# Altium PCB mantarray_beta2_sensor_arrayed.PcbDoc (part 2 of 14)
Units mil, origin at the board's own origin, x right, y up, seen from the top; angles counter-clockwise.
Board outline 6232.47 x 10167.51 mil, 8 copper layers (Layer1_Top, Layer2_sig1, Layer3_AVDD_PLANE, Layer4_GND_PLANE, Layer5_DVDD_PLANE, Layer6_BUS, Layer7_sig2, Layer8_BOT), stack 50.224 mil thick; 470 components, 492 nets, 4650 pads, 3798 vias.
Unrouted connection lines stored in the file: 3.
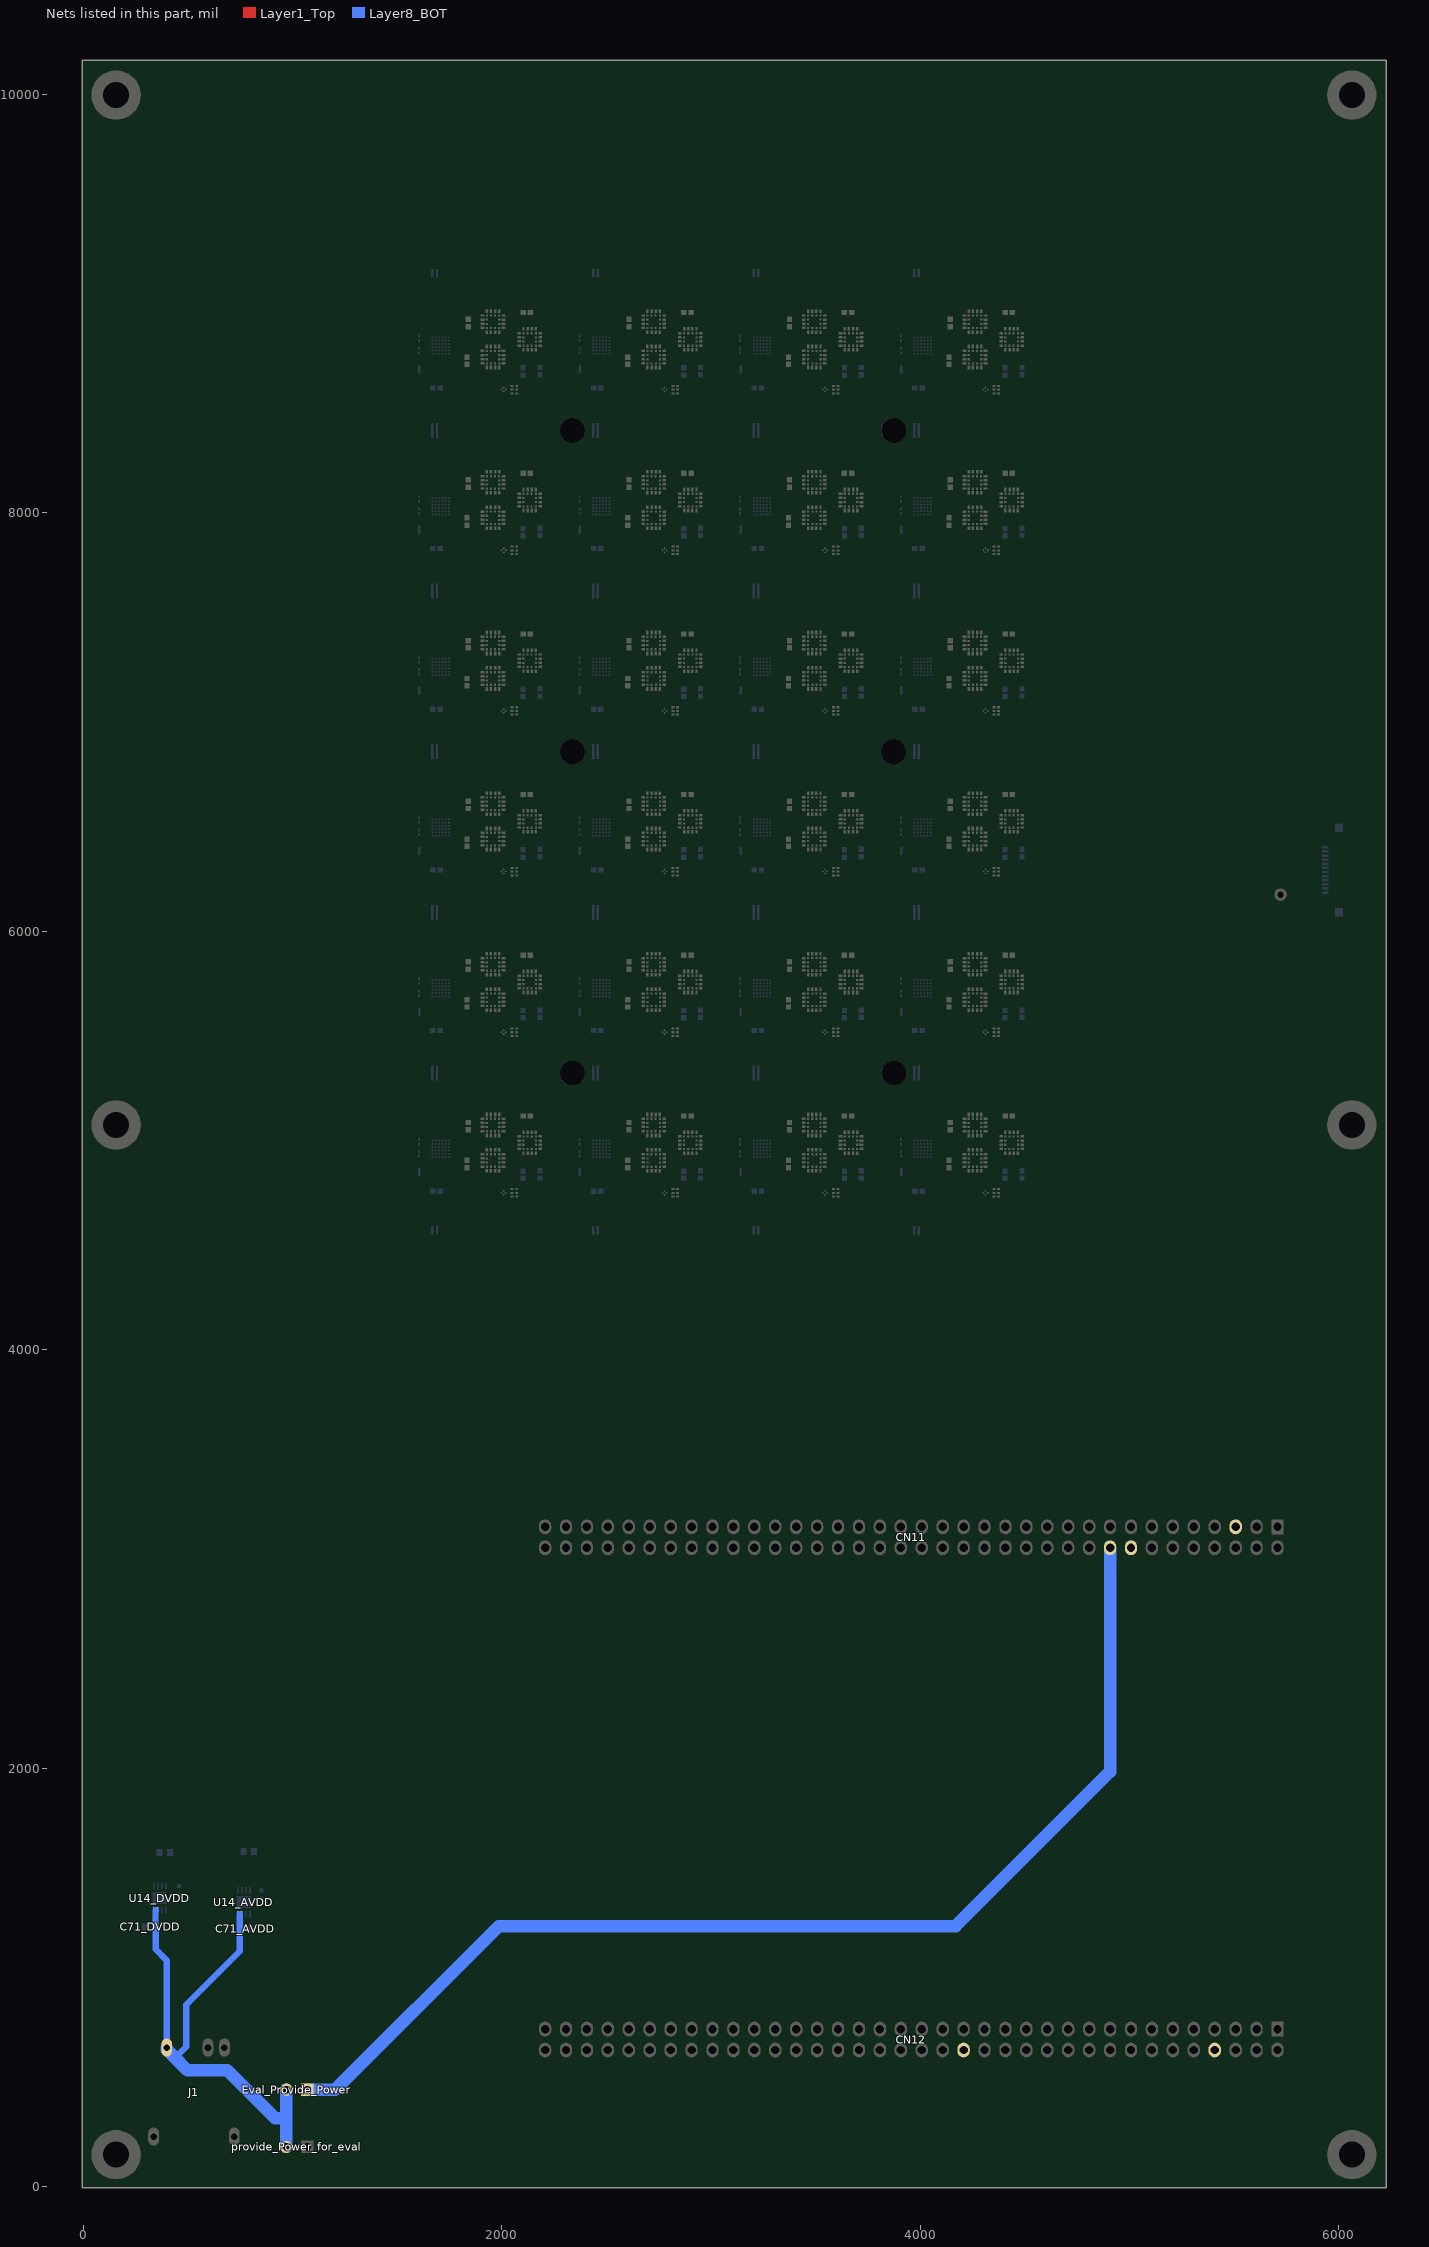
[diagram p8: the nets of this part, all layers, seen from the top]

## Components (designator, comment, footprint, x,y, rotation, side; value= is the part's Value field where it differs from the comment) (continued)
UA2_CH6 "LIS3MDLTR" STM-LGA-12#2 1958.58,8913.01 r270 top locked (schematic designator UA2)
UA2_CH7 "LIS3MDLTR" STM-LGA-12#2 2726.29,5074.43 r270 top locked (schematic designator UA2)
UA2_CH8 "LIS3MDLTR" STM-LGA-12#2 2726.29,5842.15 r270 top locked (schematic designator UA2)
UA2_CH9 "LIS3MDLTR" STM-LGA-12#2 2726.29,6609.86 r270 top locked (schematic designator UA2)
UA2_CH10 "LIS3MDLTR" STM-LGA-12#2 2726.29,7377.58 r270 top locked (schematic designator UA2)
UA2_CH11 "LIS3MDLTR" STM-LGA-12#2 2726.29,8145.3 r270 top locked (schematic designator UA2)
UA2_CH12 "LIS3MDLTR" STM-LGA-12#2 2726.29,8913.01 r270 top locked (schematic designator UA2)
UA2_CH13 "LIS3MDLTR" STM-LGA-12#2 3494.01,5074.43 r270 top locked (schematic designator UA2)
UA2_CH14 "LIS3MDLTR" STM-LGA-12#2 3494.01,5842.15 r270 top locked (schematic designator UA2)
UA2_CH15 "LIS3MDLTR" STM-LGA-12#2 3494.01,6609.86 r270 top locked (schematic designator UA2)
UA2_CH16 "LIS3MDLTR" STM-LGA-12#2 3494.01,7377.58 r270 top locked (schematic designator UA2)
UA2_CH17 "LIS3MDLTR" STM-LGA-12#2 3494.01,8145.3 r270 top locked (schematic designator UA2)
UA2_CH18 "LIS3MDLTR" STM-LGA-12#2 3494.01,8913.01 r270 top locked (schematic designator UA2)
UA2_CH19 "LIS3MDLTR" STM-LGA-12#2 4261.72,5074.43 r270 top locked (schematic designator UA2)
UA2_CH20 "LIS3MDLTR" STM-LGA-12#2 4261.72,5842.15 r270 top locked (schematic designator UA2)
UA2_CH21 "LIS3MDLTR" STM-LGA-12#2 4261.72,6609.86 r270 top locked (schematic designator UA2)
UA2_CH22 "LIS3MDLTR" STM-LGA-12#2 4261.72,7377.58 r270 top locked (schematic designator UA2)
UA2_CH23 "LIS3MDLTR" STM-LGA-12#2 4261.72,8145.3 r270 top locked (schematic designator UA2)
UA2_CH24 "LIS3MDLTR" STM-LGA-12#2 4261.72,8913.01 r270 top locked (schematic designator UA2)
UA3_CH1 "LIS3MDLTR" STM-LGA-12#1 2133.86,4989.87 r270 top locked (schematic designator UA3)
UA3_CH2 "LIS3MDLTR" STM-LGA-12#2 2133.77,5757.5 r270 top locked (schematic designator UA3)
UA3_CH3 "LIS3MDLTR" STM-LGA-12#2 2133.77,6525.22 r270 top locked (schematic designator UA3)
UA3_CH4 "LIS3MDLTR" STM-LGA-12#2 2133.77,7292.93 r270 top locked (schematic designator UA3)
UA3_CH5 "LIS3MDLTR" STM-LGA-12#2 2133.77,8060.65 r270 top locked (schematic designator UA3)
UA3_CH6 "LIS3MDLTR" STM-LGA-12#2 2133.77,8828.37 r270 top locked (schematic designator UA3)
UA3_CH7 "LIS3MDLTR" STM-LGA-12#2 2901.49,4989.78 r270 top locked (schematic designator UA3)
UA3_CH8 "LIS3MDLTR" STM-LGA-12#2 2901.49,5757.5 r270 top locked (schematic designator UA3)
UA3_CH9 "LIS3MDLTR" STM-LGA-12#2 2901.49,6525.22 r270 top locked (schematic designator UA3)
UA3_CH10 "LIS3MDLTR" STM-LGA-12#2 2901.49,7292.93 r270 top locked (schematic designator UA3)
UA3_CH11 "LIS3MDLTR" STM-LGA-12#2 2901.49,8060.65 r270 top locked (schematic designator UA3)
UA3_CH12 "LIS3MDLTR" STM-LGA-12#2 2901.49,8828.37 r270 top locked (schematic designator UA3)
UA3_CH13 "LIS3MDLTR" STM-LGA-12#2 3669.2,4989.78 r270 top locked (schematic designator UA3)
UA3_CH14 "LIS3MDLTR" STM-LGA-12#2 3669.2,5757.5 r270 top locked (schematic designator UA3)
UA3_CH15 "LIS3MDLTR" STM-LGA-12#2 3669.2,6525.22 r270 top locked (schematic designator UA3)
UA3_CH16 "LIS3MDLTR" STM-LGA-12#2 3669.2,7292.93 r270 top locked (schematic designator UA3)
UA3_CH17 "LIS3MDLTR" STM-LGA-12#2 3669.2,8060.65 r270 top locked (schematic designator UA3)
UA3_CH18 "LIS3MDLTR" STM-LGA-12#2 3669.2,8828.37 r270 top locked (schematic designator UA3)
UA3_CH19 "LIS3MDLTR" STM-LGA-12#2 4436.92,4989.78 r270 top locked (schematic designator UA3)
UA3_CH20 "LIS3MDLTR" STM-LGA-12#2 4436.92,5757.5 r270 top locked (schematic designator UA3)
UA3_CH21 "LIS3MDLTR" STM-LGA-12#2 4436.92,6525.22 r270 top locked (schematic designator UA3)
UA3_CH22 "LIS3MDLTR" STM-LGA-12#2 4436.92,7292.93 r270 top locked (schematic designator UA3)
UA3_CH23 "LIS3MDLTR" STM-LGA-12#2 4436.92,8060.65 r270 top locked (schematic designator UA3)
UA3_CH24 "LIS3MDLTR" STM-LGA-12#2 4436.92,8828.37 r270 top locked (schematic designator UA3)
UB1_CH1 "MMC5983" LGA_16 1958.66,4905.51 r270 top locked (schematic designator UB1)
UB1_CH2 "MMC5983" LGA_16 1958.66,5673.23 r270 top locked (schematic designator UB1)
UB1_CH3 "MMC5983" LGA_16 1958.66,6440.94 r270 top locked (schematic designator UB1)
UB1_CH4 "MMC5983" LGA_16 1958.66,7208.66 r270 top locked (schematic designator UB1)
UB1_CH5 "MMC5983" LGA_16 1958.66,7976.38 r270 top locked (schematic designator UB1)
UB1_CH6 "MMC5983" LGA_16 1958.66,8744.09 r270 top locked (schematic designator UB1)
UB1_CH7 "MMC5983" LGA_16 2726.38,4905.51 r270 top locked (schematic designator UB1)
UB1_CH8 "MMC5983" LGA_16 2726.38,5673.23 r270 top locked (schematic designator UB1)
UB1_CH9 "MMC5983" LGA_16 2726.38,6440.94 r270 top locked (schematic designator UB1)
UB1_CH10 "MMC5983" LGA_16 2726.38,7208.66 r270 top locked (schematic designator UB1)
UB1_CH11 "MMC5983" LGA_16 2726.38,7976.38 r270 top locked (schematic designator UB1)
UB1_CH12 "MMC5983" LGA_16 2726.38,8744.09 r270 top locked (schematic designator UB1)
UB1_CH13 "MMC5983" LGA_16 3494.09,4905.51 r270 top locked (schematic designator UB1)
UB1_CH14 "MMC5983" LGA_16 3494.09,5673.23 r270 top locked (schematic designator UB1)
UB1_CH15 "MMC5983" LGA_16 3494.09,6440.94 r270 top locked (schematic designator UB1)
UB1_CH16 "MMC5983" LGA_16 3494.09,7208.66 r270 top locked (schematic designator UB1)
UB1_CH17 "MMC5983" LGA_16 3494.09,7976.38 r270 top locked (schematic designator UB1)
UB1_CH18 "MMC5983" LGA_16 3494.09,8744.09 r270 top locked (schematic designator UB1)
UB1_CH19 "MMC5983" LGA_16 4261.81,4905.51 r270 top locked (schematic designator UB1)
UB1_CH20 "MMC5983" LGA_16 4261.81,5673.23 r270 top locked (schematic designator UB1)
UB1_CH21 "MMC5983" LGA_16 4261.81,6440.94 r270 top locked (schematic designator UB1)
UB1_CH22 "MMC5983" LGA_16 4261.81,7208.66 r270 top locked (schematic designator UB1)
UB1_CH23 "MMC5983" LGA_16 4261.81,7976.38 r270 top locked (schematic designator UB1)
UB1_CH24 "MMC5983" LGA_16 4261.81,8744.09 r270 top locked (schematic designator UB1)
UB2_CH1 "MMC5983" LGA_16 1958.66,5074.8 r270 top locked (schematic designator UB2)
UB2_CH2 "MMC5983" LGA_16 1958.66,5842.52 r270 top locked (schematic designator UB2)
UB2_CH3 "MMC5983" LGA_16 1958.66,6610.24 r270 top locked (schematic designator UB2)
UB2_CH4 "MMC5983" LGA_16 1958.66,7377.95 r270 top locked (schematic designator UB2)
UB2_CH5 "MMC5983" LGA_16 1958.66,8145.67 r270 top locked (schematic designator UB2)
UB2_CH6 "MMC5983" LGA_16 1958.66,8913.39 r270 top locked (schematic designator UB2)
UB2_CH7 "MMC5983" LGA_16 2726.38,5074.8 r270 top locked (schematic designator UB2)
UB2_CH8 "MMC5983" LGA_16 2726.38,5842.52 r270 top locked (schematic designator UB2)
UB2_CH9 "MMC5983" LGA_16 2726.38,6610.24 r270 top locked (schematic designator UB2)
UB2_CH10 "MMC5983" LGA_16 2726.38,7377.95 r270 top locked (schematic designator UB2)
UB2_CH11 "MMC5983" LGA_16 2726.38,8145.67 r270 top locked (schematic designator UB2)
UB2_CH12 "MMC5983" LGA_16 2726.38,8913.39 r270 top locked (schematic designator UB2)
UB2_CH13 "MMC5983" LGA_16 3494.09,5074.8 r270 top locked (schematic designator UB2)
UB2_CH14 "MMC5983" LGA_16 3494.09,5842.52 r270 top locked (schematic designator UB2)
UB2_CH15 "MMC5983" LGA_16 3494.09,6610.24 r270 top locked (schematic designator UB2)
UB2_CH16 "MMC5983" LGA_16 3494.09,7377.95 r270 top locked (schematic designator UB2)
UB2_CH17 "MMC5983" LGA_16 3494.09,8145.67 r270 top locked (schematic designator UB2)
UB2_CH18 "MMC5983" LGA_16 3494.09,8913.39 r270 top locked (schematic designator UB2)
UB2_CH19 "MMC5983" LGA_16 4261.81,5074.8 r270 top locked (schematic designator UB2)
UB2_CH20 "MMC5983" LGA_16 4261.81,5842.52 r270 top locked (schematic designator UB2)
UB2_CH21 "MMC5983" LGA_16 4261.81,6610.24 r270 top locked (schematic designator UB2)
UB2_CH22 "MMC5983" LGA_16 4261.81,7377.95 r270 top locked (schematic designator UB2)
UB2_CH23 "MMC5983" LGA_16 4261.81,8145.67 r270 top locked (schematic designator UB2)
UB2_CH24 "MMC5983" LGA_16 4261.81,8913.39 r270 top locked (schematic designator UB2)
UB3_CH1 "MMC5983" LGA_16 2133.86,4990.16 r270 top locked (schematic designator UB3)
UB3_CH2 "MMC5983" LGA_16 2133.86,5757.87 r270 top locked (schematic designator UB3)
UB3_CH3 "MMC5983" LGA_16 2133.86,6525.59 r270 top locked (schematic designator UB3)
UB3_CH4 "MMC5983" LGA_16 2133.86,7293.31 r270 top locked (schematic designator UB3)
UB3_CH5 "MMC5983" LGA_16 2133.86,8061.02 r270 top locked (schematic designator UB3)
UB3_CH6 "MMC5983" LGA_16 2133.86,8828.74 r270 top locked (schematic designator UB3)
UB3_CH7 "MMC5983" LGA_16 2901.57,4990.16 r270 top locked (schematic designator UB3)
UB3_CH8 "MMC5983" LGA_16 2901.57,5757.87 r270 top locked (schematic designator UB3)
UB3_CH9 "MMC5983" LGA_16 2901.57,6525.59 r270 top locked (schematic designator UB3)
UB3_CH10 "MMC5983" LGA_16 2901.57,7293.31 r270 top locked (schematic designator UB3)
UB3_CH11 "MMC5983" LGA_16 2901.57,8061.02 r270 top locked (schematic designator UB3)
UB3_CH12 "MMC5983" LGA_16 2901.57,8828.74 r270 top locked (schematic designator UB3)
UB3_CH13 "MMC5983" LGA_16 3669.29,4990.16 r270 top locked (schematic designator UB3)
UB3_CH14 "MMC5983" LGA_16 3669.29,5757.87 r270 top locked (schematic designator UB3)
UB3_CH15 "MMC5983" LGA_16 3669.29,6525.59 r270 top locked (schematic designator UB3)
UB3_CH16 "MMC5983" LGA_16 3669.29,7293.31 r270 top locked (schematic designator UB3)
UB3_CH17 "MMC5983" LGA_16 3669.29,8061.02 r270 top locked (schematic designator UB3)
UB3_CH18 "MMC5983" LGA_16 3669.29,8828.74 r270 top locked (schematic designator UB3)
UB3_CH19 "MMC5983" LGA_16 4437.01,4990.16 r270 top locked (schematic designator UB3)
UB3_CH20 "MMC5983" LGA_16 4437.01,5757.87 r270 top locked (schematic designator UB3)
UB3_CH21 "MMC5983" LGA_16 4437.01,6525.59 r270 top locked (schematic designator UB3)
UB3_CH22 "MMC5983" LGA_16 4437.01,7293.31 r270 top locked (schematic designator UB3)
UB3_CH23 "MMC5983" LGA_16 4437.01,8061.02 r270 top locked (schematic designator UB3)
UB3_CH24 "MMC5983" LGA_16 4437.01,8828.74 r270 top locked (schematic designator UB3)

## Footprints (in the part's own frame and the unit in brackets; to place one, negate y for a bottom-side part, rotate by r counter-clockwise, add the part's x,y. Pads: shape width x height; smd on the part's side, far side on the other; paste and mask are expansions set on the pad)
4-SMD [mm] "4-lead package for SMD LED"
  rect 0.2x0.2 smd: 1(-0.175,-0.175) 2(-0.175,0.175) 3(0.175,0.175) 4(0.175,-0.175)
  silkscreen extent -0.65,-0.2 -0.6,-0.15, body extent -0.33,-0.33 0.33,0.33, height 0.2
ADI-CP-8-2_L [mm] "QFN, 8-Leads, Body 3x3mm, Pitch 0.5mm, Thermal Pad 1.45X1.74mm, IPC High Density"
  oval 0.8x0.2 smd: 1(-1.45,0.75) 2(-1.45,0.25) 3(-1.45,-0.25) 4(-1.45,-0.75) 5(1.45,-0.75) 6(1.45,-0.25) 7(1.45,0.25) 8(1.45,0.75)
  rect 1.45x1.74 smd: 9(0,0)
  silkscreen extent -2.55,-1.78 1.78,1.77, body extent -1.63,-1.63 1.63,1.63, height 0.9
CAPC1005X55X25NL05T10 [mm] "Chip Capacitor, 2-Leads, Body 1.05x0.55mm, IPC Medium Density"
  rect 0.66x0.62 smd: 1(-0.44,0) 2(0.44,0)
  body extent -0.52,-0.28 0.52,0.27, height 0.55
CAPC1608X90X35LL10T15 [mm] "Chip Capacitor, 2-Leads, Body 1.60x0.80mm, IPC High Density"
  rect 0.75x0.85 smd: 1(-0.625,0) 2(0.625,0)
  body extent -0.85,-0.45 0.85,0.45, height 0.9
FP-CC0402-MFG [mm]
  rect 0.5x0.5 smd paste+0 mask+0: 1(-0.5,0) 2(0.5,0)
  silkscreen extent -0.53,-0.68 0.52,0.68, body extent -0.5,-0.25 0.5,0.25, height 0.55
HDR1X2 [mm] "Connector; Header; 2 Position"
  rect 1.5x1.5 hole 0.9: 1(0,0)
  round 1.5 hole 0.9: 2(2.54,0)
  silkscreen extent -1.27,-1.27 3.81,1.27
HDR_2x36_2R54_V_M [mm] "Male Header, Pitch 2.54mm, 36x2 Position, Mated Height 6mm, Tail Length 3mm"
  rect 1.5x1.8 hole 1.02: 1(0,0)
  oval 1.5x1.8 hole 1.02: 2(0,2.54) 3(2.54,0) 4(2.54,2.54) 5(5.08,0) 6(5.08,2.54) 7(7.62,0) 8(7.62,2.54) 9(10.16,0) 10(10.16,2.54) 11(12.7,0) 12(12.7,2.54) 13(15.24,0) 14(15.24,2.54) 15(17.78,0) 16(17.78,2.54) 17(20.32,0) 18(20.32,2.54) 19(22.86,0) 20(22.86,2.54) 21(25.4,0) 22(25.4,2.54) 23(27.94,0) 24(27.94,2.54) 25(30.48,0) 26(30.48,2.54) 27(33.02,0) 28(33.02,2.54) 29(35.56,0) 30(35.56,2.54) 31(38.1,0) 32(38.1,2.54) 33(40.64,0) 34(40.64,2.54) 35(43.18,0) 36(43.18,2.54) 37(45.72,0) 38(45.72,2.54) 39(48.26,0) 40(48.26,2.54) 41(50.8,0) 42(50.8,2.54) 43(53.34,0) 44(53.34,2.54) 45(55.88,0) 46(55.88,2.54) 47(58.42,0) 48(58.42,2.54) 49(60.96,0) 50(60.96,2.54) 51(63.5,0) 52(63.5,2.54) 53(66.04,0) 54(66.04,2.54) 55(68.58,0) 56(68.58,2.54) 57(71.12,0) 58(71.12,2.54) 59(73.66,0) 60(73.66,2.54) 61(76.2,0) 62(76.2,2.54) 63(78.74,0) 64(78.74,2.54) 65(81.28,0) 66(81.28,2.54) 67(83.82,0) 68(83.82,2.54) 69(86.36,0) 70(86.36,2.54) 71(88.9,0) 72(88.9,2.54)
  silkscreen extent -1.27,-1.96 90.17,3.81, body extent -1.27,-1.27 90.17,3.81, height 9
LGA_16 [mm] "LGA package for MEMSIC MMC5983"
  rect 0.3x0.45 smd: 1(0.75,1.275) 2(0.25,1.275) 3(-0.25,1.275) 4(-0.75,1.275) 9(-0.75,-1.275) 10(-0.25,-1.275) 11(0.25,-1.275) 12(0.75,-1.275)
  rect 0.45x0.3 smd: 5(-1.275,0.75) 6(-1.275,0.25) 7(-1.275,-0.25) 8(-1.275,-0.75) 13(1.275,-0.75) 14(1.275,-0.25) 15(1.275,0.25) 16(1.275,0.75)
  body extent -1.5,-1.5 1.5,1.5, height 1
MOLX-52746-1271 [mm] "FPC Connector, 12-Leads, Right Angle, Pitch 0.5 mm, Mated Height 2.0 mm, SMT"
  rect 0.3x0.8 smd: 1(-2.75,0.823) 2(-2.25,0.823) 3(-1.75,0.823) 4(-1.25,0.823) 5(-0.75,0.823) 6(-0.25,0.823) 7(0.25,0.823) 8(0.75,0.823) 9(1.25,0.823) 10(1.75,0.823) 11(2.25,0.823) 12(2.75,0.823)
  rect 1x1 smd: MP1(-5.135,-0.823) MP2(5.135,-0.823)
  Layer1_Top region: 4,0.424 6.4,0.424 6.4,-1.776 6.4,-1.777 5.3,-1.777 5.3,-2.626 4,-2.626 4,0.424
  Layer1_Top region: -6.4,0.424 -4,0.424 -4,-2.626 -4,-2.626 -5.3,-2.626 -5.3,-1.777 -5.3,-1.776 -6.4,-1.776
  Keep-Out Layer region: 4,-0.176 3.2,-0.176 3.2,-1.516 4,-1.516
  Keep-Out Layer region: -4,-0.176 -3.2,-0.176 -3.2,-1.516 -4,-1.516
  silkscreen extent -6.05,-5.68 6.05,1.9, body extent -6.05,-5.68 6.05,0.92, height 2.01
PJ-001AH-67 [mm]
  oval 2.2x1.3 hole 0.8 slot 1.7 at 0 deg: 1(0,0) 2(0,-7) 3(0,-5) ""(-10.8,-8.2) ""(-10.8,1.6)
  silkscreen extent -13.3,-8.2 -1.6,1.6, body extent -16.65,-8.4 0.65,2.25, height 8.2
RESC0603X28X15LL05T05 [mm] "Chip Resistor, 2-Leads, Body 0.60x0.30mm, IPC High Density"
  rect 0.35x0.25 smd: 1(-0.275,0) 2(0.275,0)
  body extent -0.33,-0.17 0.32,0.18, height 0.28
STM-LGA-12#1 [mil] "LGA, 12-Leads, Body 2x2mm, Pitch 0.5mm"
  rect 11x10 smd: 1(-30.02,29.53) 2(-30.02,9.84) 3(-30.02,-9.84) 4(-30.02,-29.53) 7(30.02,-29.53) 8(30.02,-9.84) 9(30.02,9.84) 10(30.02,29.53)
  rect 10x11 smd: 5(-9.85,-30.02) 6(9.84,-30.02) 11(9.84,30.02) 12(-9.85,30.02)
  silkscreen extent -57,47 -47,57, body extent -39,-39 39,39, height 39
STM-LGA-12#2 [mil] "LGA, 12-Leads, Body 2x2mm, Pitch 0.5mm"
  rect 10.83x9.84 smd: 1(-30.02,29.53) 2(-30.02,9.84) 3(-30.02,-9.84) 4(-30.02,-29.53) 7(30.02,-29.53) 8(30.02,-9.84) 9(30.02,9.84) 10(30.02,29.53)
  rect 9.84x10.83 smd: 5(-9.85,-30.02) 6(9.84,-30.02) 11(9.84,30.02) 12(-9.85,30.02)
  silkscreen extent -57,47 -47,57, body extent -39,-39 39,39, height 39
WLCSP36L_DIE417 [mm]
  round 0.224 smd paste-0.112 mask-0.114: A1(-1,1) A2(-0.6,1) A3(-0.2,1) A4(0.2,1) A5(0.6,1) A6(1,1) B1(-1,0.6) B2(-0.6,0.6) B3(-0.2,0.6) B4(0.2,0.6) B5(0.6,0.6) B6(1,0.6) C1(-1,0.2) C2(-0.6,0.2) C3(-0.2,0.2) C4(0.2,0.2) C5(0.6,0.2) C6(1,0.2) D1(-1,-0.2) D2(-0.6,-0.2) D3(-0.2,-0.2) D4(0.2,-0.2) D5(0.6,-0.2) D6(1,-0.2) E1(-1,-0.6) E2(-0.6,-0.6) E3(-0.2,-0.6) E4(0.2,-0.6) E5(0.6,-0.6) E6(1,-0.6) F1(-1,-1) F2(-0.6,-1) F3(-0.2,-1) F4(0.2,-1) F5(0.6,-1) F6(1,-1)
  silkscreen extent -1.6,-1.57 1.45,1.75, body extent 0,0 0.25,0.25, height 0.25

## Part data
Barcode_reader: library part CMP-1241-00374-1, "0.5 mm Pitch Easy-On(TM) Type FPC Connector, 2.0 mm Mated Height, Right Angle, ZIF, SMT, Bottom Contact, 12 Circuits, -20 to 85 degC, ELV and RoHS Compliant, Tape and Reel", Current (Max per Contact)=0.5A, Manufacturer=Molex, Voltage (Max)=50V, Circuits (Loaded)=12, ComponentLink1Description="Manufacturer URL", ComponentLink1URL=http://www.molex.com/molex/index.jsp, ComponentLink2Description=Datasheet, ComponentLink2URL=http://www.molex.com/webdocs/datasheets/pdf/en-us/0527461271_FFC_FPC_CONNECTORS.pdf, ComponentLink3Description="Package Specification", ComponentLink3URL=http://www.molex.com/pdm_docs/sd/527461271_sd.pdf, Contact Position=Bottom, Durability (mating cycles max)=20, Entry Angle="90degrees Angle", Mated Height=2.00mm, Material - Metal="Phosphor Bronze", Material - Plating Mating=Gold, Material - Plating Termination=Gold, Mounting Technology="Surface Mount", Number of Rows=1, Orientation="Right Angle", PackageDescription="12-Lead FPC Connector, Pitch 0.5 mm", PackageReference=52746-1271, PackageVersion="Rev. H, 05/2009", Packing="Tape and Reel", partnumber=52746-1271, PCB Locator=No, PCB Retention=Yes, Pitch - Mating Interface=0.50mm, Polarized to PCB=Yes, RoHS=TRUE, Stackable=No
C1_CH1 C1_CH2 C1_CH3 C1_CH4 C1_CH5 C1_CH6 C1_CH7 C1_CH8 C1_CH9 C1_CH10 C1_CH11 C1_CH12 C1_CH13 C1_CH14 C1_CH15 C1_CH16 C1_CH17 C1_CH18 C1_CH19 C1_CH20 C1_CH21 C1_CH22 C1_CH23 C1_CH24 C2_CH1 C2_CH2 C2_CH3 C2_CH4 C2_CH5 C2_CH6 C2_CH7 C2_CH8 C2_CH9 C2_CH10 C2_CH11 C2_CH12 C2_CH13 C2_CH14 C2_CH15 C2_CH16 C2_CH17 C2_CH18 C2_CH19 C2_CH20 C2_CH21 C2_CH22 C2_CH23 C2_CH24 C3_CH1 C3_CH2 C3_CH3 C3_CH4 C3_CH5 C3_CH6 C3_CH7 C3_CH8 C3_CH9 C3_CH10 C3_CH11 C3_CH12 C3_CH13 C3_CH14 C3_CH15 C3_CH16 C3_CH17 C3_CH18 C3_CH19 C3_CH20 C3_CH21 C3_CH22 C3_CH23 C3_CH24: library part CMP-2100-03641-1, "Chip Capacitor, 10 uF, +/- 10%, 6 V, -55 to 125 degC, 0402 (1005 Metric), RoHS, Tape and Reel", Capacitance=100nF, Case Code (Imperial)=0402, Case Code (Metric)=1005, Dielectric=X7R, Dielectric Material=Ceramic, Insulation Resistance=10GR, Manufacturer=Murata, Max Operating Temperature=125degC, Min Operating Temperature=-55degC, Package Description="2-Pin Surface Mount Device, Body 1 x 0.5 mm", Package Quantity=1, Tolerance=10%, Voltage=16V, Case/Package=0402, Datasheet URL=http://psearch.en.murata.com/capacitor/product/GRM155R71C104KA88%23.pdf, Datasheet Version=42675.0, Depth=0.5mm, Height=0.5mm, Lead Free=LeadFree, Length=1mm, Manufacturer URL=http://www.murata.com/, Material=Ceramic, Mount=SurfaceMount, Number of Pins=2, Package Reference=0402, Packaging=TapeandReel, Radiation Hardening=No, REACH SVHC=NoSVHC, RoHSCompliant=true, Termination=SMD/SMT, Thickness=0.022inch, Voltage Rating=16V, Voltage Rating (DC)=16V, Width=0.5mm
C71_AVDD C71_DVDD C72_AVDD C72_DVDD: library part CMP-2006-02523-1, Manufacturer=Murata, Part Number=GRM188R61E475KE11D
C73_AVDD C73_DVDD: library part CMP-03422-000501-1, "CAP CER 10000PF 16V X7R 0402", Capacitance="10 nF", Manufacturer=YAGEO, Package=CC0402, Temperature="-55°C to +125°C", Temperature Characteristic=X7R, Temperature Coefficient=30ppm/°C, Temperature Range High=+125°C, Temperature Range Low=-55°C, Tolerance=0.1, Voltage Rating="16 V", Automotive=No, Automotive Grade=NA, Category=Cap, ComponentLink2Description=Datasheet, ComponentLink2URL=http://www.yageo.com/documents/recent/UPY-GP_NP0_16V-to-50V_16.pdf, Device Class L1="Passive Components", Device Class L2=Capacitors, Device Class L3="Ceramic Capacitors", Digikey Description="CAP CER 10000PF 16V X7R 0402", Footprint Url=http://www.yageo.com/exep/pages/download/literatures/UPY-C_GEN_24.pdf, Height=0.55mm, Ipc Land Pattern Name=CAPC10050X50, Lead Free=Yes, Manufacturer Part Number=CC0402KRX7R7BB103, Material=Ceramic, Mouser Description="0402 10 nF 16 V ±10 % Tolerance X7R SMT Multilayer Ceramic Capacitor", Octopart=https://octopart.com/cc0402krx7r7bb103-yageo-192895, RoHS=TRUE
CA3_CH1 CA3_CH2 CA3_CH3 CA3_CH4 CA3_CH5 CA3_CH6 CA3_CH7 CA3_CH8 CA3_CH9 CA3_CH10 CA3_CH11 CA3_CH12 CA3_CH13 CA3_CH14 CA3_CH15 CA3_CH16 CA3_CH17 CA3_CH18 CA3_CH19 CA3_CH20 CA3_CH21 CA3_CH22 CA3_CH23 CA3_CH24 CA6_CH1 CA6_CH2 CA6_CH3 CA6_CH4 CA6_CH5 CA6_CH6 CA6_CH7 CA6_CH8 CA6_CH9 CA6_CH10 CA6_CH11 CA6_CH12 CA6_CH13 CA6_CH14 CA6_CH15 CA6_CH16 CA6_CH17 CA6_CH18 CA6_CH19 CA6_CH20 CA6_CH21 CA6_CH22 CA6_CH23 CA6_CH24 CA9_CH1 CA9_CH2 CA9_CH3 CA9_CH4 CA9_CH5 CA9_CH6 CA9_CH7 CA9_CH8 CA9_CH9 CA9_CH10 CA9_CH11 CA9_CH12 CA9_CH13 CA9_CH14 CA9_CH15 CA9_CH16 CA9_CH17 CA9_CH18 CA9_CH19 CA9_CH20 CA9_CH21 CA9_CH22 CA9_CH23 CA9_CH24: library part CMP-2100-03641-1, "Chip Capacitor, 0.1 uF, +/- 10%, 16 V, -55 to 125 degC, 0402 (1005 Metric), RoHS, Tape and Reel", Capacitance=100nF, Case Code (Imperial)=0402, Case Code (Metric)=1005, Dielectric=X7R, Dielectric Material=Ceramic, Insulation Resistance=10GR, Manufacturer=Murata, Max Operating Temperature=125degC, Min Operating Temperature=-55degC, Package Description="2-Pin Surface Mount Device, Body 1 x 0.5 mm", Package Quantity=1, Tolerance=10%, Voltage=16V, Case/Package=0402, Datasheet URL=http://psearch.en.murata.com/capacitor/product/GRM155R71C104KA88%23.pdf, Datasheet Version=42675.0, Depth=0.5mm, Height=0.5mm, Lead Free=LeadFree, Length=1mm, Manufacturer URL=http://www.murata.com/, Material=Ceramic, Mount=SurfaceMount, Number of Pins=2, Package Reference=0402, Packaging=TapeandReel, Radiation Hardening=No, REACH SVHC=NoSVHC, RoHSCompliant=true, Termination=SMD/SMT, Thickness=0.022inch, Voltage Rating=16V, Voltage Rating (DC)=16V, Width=0.5mm